# Altium PCB Dashcam_V2.0E.PcbDoc (part 8 of 8) (continued)
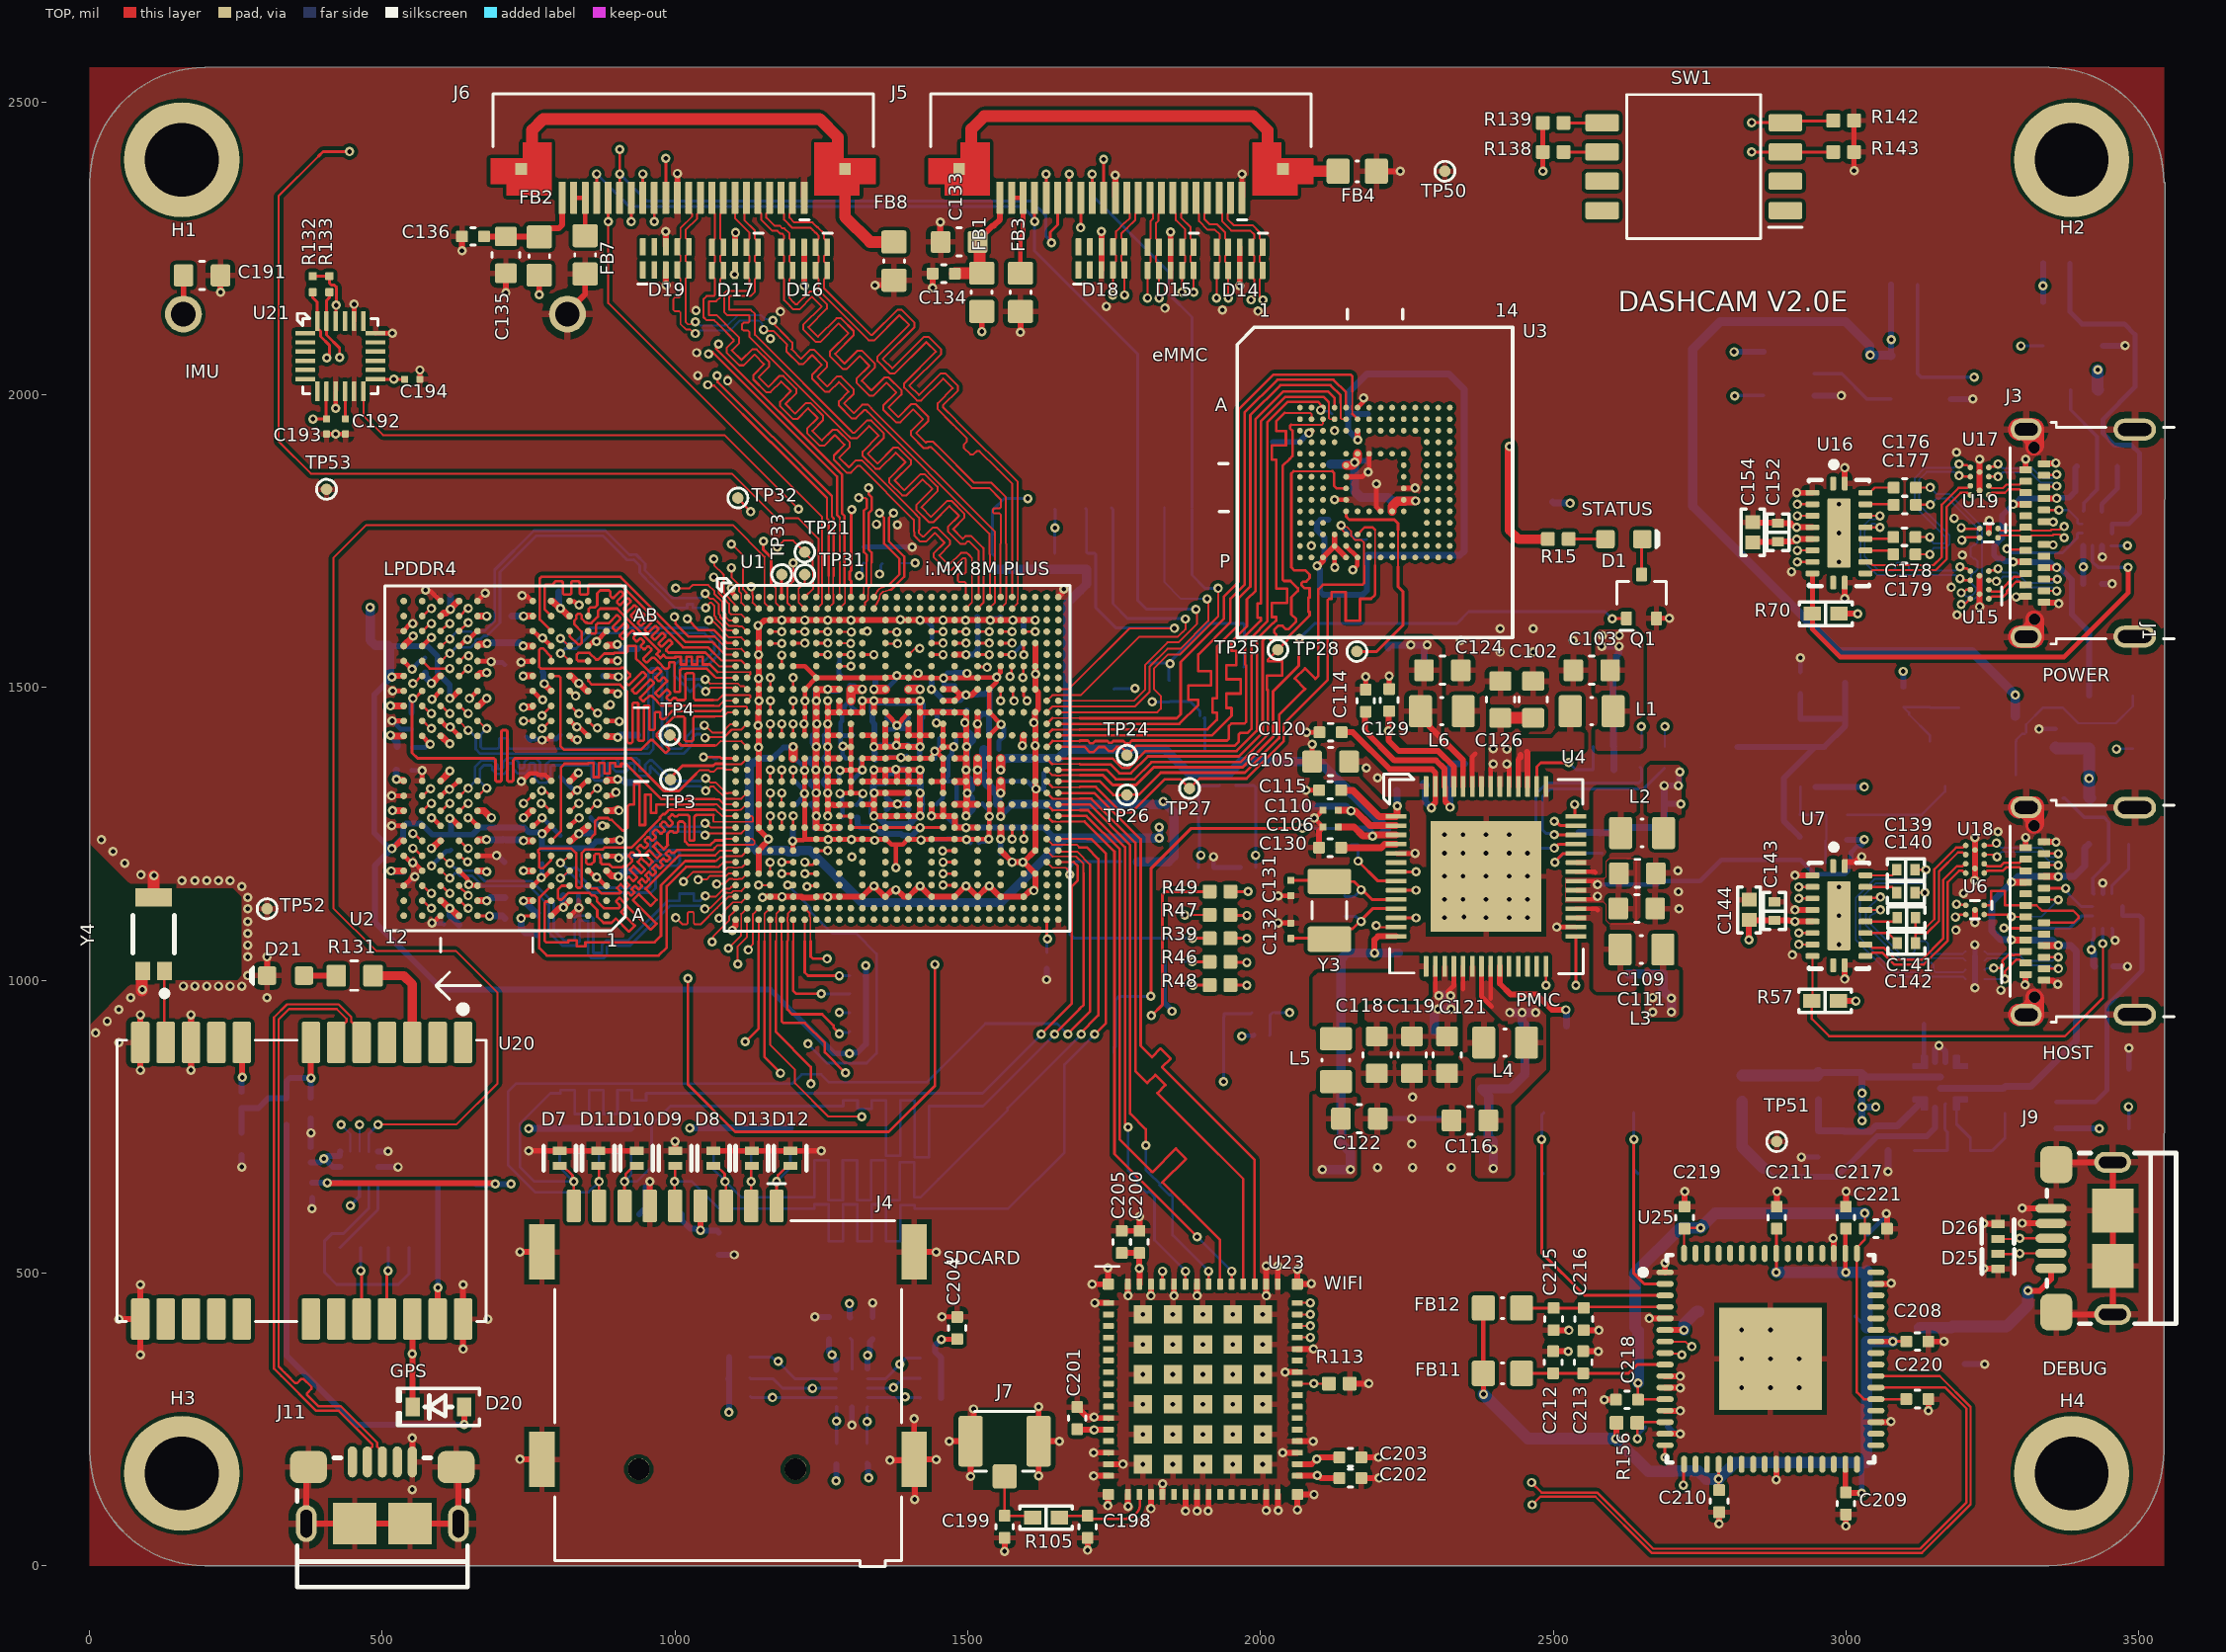
[diagram p0: TOP view]
## Nets (pads, with @x,y where several pads share a name; then routed paths per layer and width w, separated by ;. In a path a pad name is that pad's centre, name@x,y a point inside that pad or via, vN(x,y) a via of type N, cw(c..) or ccw(c..) an arc to the next point about the centre after c; other vN are vias at no path point) (continued)
  TOP w5: C132.2@2051.8,1071.53 2116.57,1071.53 Y3.2@2117.8,1070.31 ; Y3.2@2109.8,1061.52 2136.25,1087.98 2157.25,1087.98 2191.54,1122.27 U4.11@2231.8,1122.27
  BOTTOM w5: R50.2@2143.8,1108.8 2163.37,1108.8 2171.66,1100.52 v2(2171.8,1100.52)
XTALI_24M: C68.2 R13.1 TP18.1 U1.G25 Y1.3 | length 601.1
  TOP w4.72: v2(1572.24,1518.5) 1572.24,1521.55 1574.62,1523.93 1574.62,1535.14 U1.G25@1575.9,1536.42
  L3_IN1 w3.6: v2(1572.24,1518.5) 1590.73,1537 1607.32,1537 1611.32,1541 v2@1845,1541
  BOTTOM w3.35: R13.1@1843.8,1512.24 R13.1@1844.8,1511.24 ; Y1.3@1970.87,1534.43 Y1.3@1972.79,1536.35
  BOTTOM w5: TP18.1@1809.8,1541.52 1810.24,1541.96 1844.35,1541.96 v2(1845.51,1540.8) ; R13.1@1843.8,1512.24 1843.8,1542.52 1910.8,1609.52 1970.83,1609.52 1972.79,1607.56 C68.2@1972.79,1590.52 Y1.3@1972.79,1536.35
XTALI_32K: C66.2 R12.1 TP15.1 U1.J25 Y2.2 | length 628.6
  TOP w4.72: U1.J25@1575.9,1497.05 1577.18,1495.77 1577.18,1479.18 v2(1579.27,1477.09)
  L4_IN2 w4.72: v2(1579.27,1477.09) 1579.27,1476.31 1598.58,1457 1624,1457 1796,1285 1830,1285 1863,1252 1863,1248.67 1898.67,1213 v2@1899,1213
  BOTTOM w5: C66.2@1893.8,1192.52 v2@1893.8,1213.52 ; v2@1895.46,1213.52 1895.46,1262.64 1893.8,1264.31 TP15.1@1893.8,1330.52 1894.8,1331.52 1929.02,1331.52 R12.1@1930.02,1332.52
  other v2: 1898.15,1213.52
XTALO_24M: C69.2 R13.2 U1.G26 Y1.1 | length 409
  TOP w4.72: v2(1594.17,1517.03) 1594.88,1517.73 1594.88,1535.71 U1.G26@1595.58,1536.42
  L3_IN1 w3.6: v2(1594.17,1517.03) 1594.97,1517.03 1604.04,1507.95 1609.02,1507.95 1609.73,1507.24 1652.76,1507.24 1684.48,1475.52 1813.52,1475.52 v2@1814,1476
  BOTTOM w5: v2@1816.8,1474.52 1817.8,1475.52 1844.51,1475.52 R13.2@1844.8,1475.8 1880.49,1475.8 1896.7,1459.6 Y1.1@1896.7,1451.55 ; Y1.1@1903.64,1447.52 Y1.1@1904.72,1448.61 1904.8,1448.53 C69.2@1904.8,1393.52
  other v2: 1814.8,1475.52
XTALO_32K: C67.2 R12.2 U1.J26 Y2.1 | length 696.1
  TOP w4.72: U1.J26@1595.58,1497.05 1595.58,1485.43 1601.26,1479.75 v2(1601.26,1477.46)
  L4_IN2 w5: v2(1601.26,1477.46) 1697.54,1477.46 1961.48,1213.52 1990.52,1213.52 v2@1992,1215
  BOTTOM w5: R12.2@1957.57,1332.52 1988.86,1332.52 1991.79,1329.59 1991.79,1264.74 Y2.1@1993.01,1263.52 1991.8,1262.31 v2(1991.8,1213.52) C67.2@1991.79,1192.52
pads on no net: D18.1 D18.2 D18.9 D18.10 D19.1 D19.2 D19.9 D19.10 H1.1 H2.1 H3.1 H4.1 J1.A8 J1.B8 J3.A8 J3.B8 J4. J11.1 J11.4 SW1.1 SW1.2 SW1.7 SW1.8 U1.A14 U1.A15 U1.A16 U1.A17 U1.A18 U1.A19 U1.A20 U1.A26 U1.A27 U1.A28 U1.AC4 U1.AC5 U1.AC10 U1.AC12 U1.AC14 U1.AC16 U1.AC18 U1.AC22 U1.AC25 U1.AD10 U1.AD12 U1.AD14 U1.AD16 U1.AD18 U1.AD22 U1.AD24 U1.AE10 U1.AE12 U1.AE14 U1.AE16 U1.AE18 U1.AE22 U1.AE24 U1.AE26 U1.AE28 U1.AE29 U1.AF10 U1.AF12 U1.AF14 U1.AF16 U1.AF18 U1.AF22 U1.AF24 U1.AF26 U1.AF28 U1.AF29 U1.AG28 U1.AG29 U1.AH8 U1.AH9 U1.AH10 U1.AH11 U1.AH12 U1.AH13 U1.AH14 U1.AH15 U1.AH16 U1.AH17 U1.AH18 U1.AH19 U1.AH22 U1.AH23 U1.AH24 U1.AH25 U1.AH26 U1.AH27 U1.AH28 U1.AH29 U1.AJ8 U1.AJ9 U1.AJ10 U1.AJ11 U1.AJ12 U1.AJ13 U1.AJ14 U1.AJ15 U1.AJ16 U1.AJ17 U1.AJ18 U1.AJ19 U1.AJ20 U1.AJ23 U1.AJ24 U1.AJ25 U1.AJ26 U1.AJ27 U1.B11 U1.B14 U1.B15 U1.B16 U1.B17 U1.B18 U1.B19 U1.B20 U1.B26 U1.B27 U1.B28 U1.B29 U1.C28 U1.C29 U1.D16 U1.D28 U1.D29 U1.E12 U1.E16 U1.E28 U1.E29 U1.F14 U1.F28 U1.F29 U1.G4 U1.G14 U1.G16 U1.G18 U1.G20 U1.G28 U1.G29 U1.H28 U1.H29 U1.J5 U1.J28 U1.L5 U1.N1 U1.N2 U1.P1 U1.R4 U1.R5 U1.T2 U1.U1 U1.U2 U1.W6 U2.A1 U2.A2 U2.A11 U2.A12 U2.AA1 U2.AA12 U2.AB1 U2.AB2 U2.AB11 U2.AB12 U2.B1 U2.B12 U2.G11 U2.K5 U2.K8 U2.N5 U2.N8 U3.A1 U3.A2 U3.A7 U3.A8 U3.A9 U3.A10 U3.A11 U3.A12 U3.A13 U3.A14 U3.B1 U3.B7 U3.B8 U3.B9 U3.B10 U3.B11 U3.B12 U3.B13 U3.B14 U3.C1 U3.C3 U3.C5 U3.C7 U3.C8 U3.C9 U3.C10 U3.C11 U3.C12 U3.C13 U3.C14 U3.D1 U3.D2 U3.D3 U3.D4 U3.D12 U3.D13 U3.D14 U3.E1 U3.E2 U3.E3 U3.E5 U3.E8 U3.E9 U3.E10 U3.E12 U3.E13 U3.E14 U3.F1 U3.F2 U3.F3 U3.F10 U3.F12 U3.F13 U3.F14 U3.G1 U3.G2 U3.G3 U3.G10 U3.G12 U3.G13 U3.G14 U3.H1 U3.H2 U3.H3 U3.H12 U3.H13 U3.H14 U3.J1 U3.J2 U3.J3 U3.J12 U3.J13 U3.J14 U3.K1 U3.K2 U3.K3 U3.K6 U3.K7 U3.K10 U3.K12 U3.K13 U3.K14 U3.L1 U3.L2 U3.L3 U3.L12 U3.L13 U3.L14 U3.M1 U3.M2 U3.M3 U3.M7 U3.M8 U3.M9 U3.M10 U3.M11 U3.M12 U3.M13 U3.M14 U3.N1 U3.N3 U3.N6 U3.N7 U3.N8 U3.N9 U3.N10 U3.N11 U3.N12 U3.N13 U3.N14 U3.P1 U3.P2 U3.P7 U3.P8 U3.P9 U3.P10 U3.P11 U3.P12 U3.P13 U3.P14 U4.6 U5.10 U7.1 U7.10 U8.1 U9.6 U9.9 U11.1 U12.1 U13.4 U13.6 U14.1 U16.1 U16.10 U20.1 U20.2 U20.4 U20.9 U20.14 U20.15 U20.16 U20.17 U20.18 U20.19 U21.1 U21.2 U21.3 U21.4 U21.5 U21.6 U21.7 U21.14 U21.15 U21.16 U21.17 U21.19 U21.21 U22.10 U23.3 U23.4 U23.5 U23.6 U23.7 U23.8 U23.9 U23.10 U23.11 U23.14 U23.23 U23.27 U23.28 U23.29 U23.30 U23.38 U23.39 U23.40 U23.41 U23.44 U25.18 U25.19 U25.21 U25.22 U25.23 U25.24 U25.26 U25.27 U25.28 U25.29 U25.30 U25.32 U25.33 U25.34 U25.36 U25.40 U25.41 U25.43 U25.44 U25.45 U25.46 U25.48 U25.52 U25.53 U25.54 U25.55 U25.57 U25.58 U25.59 U25.60 U25.61 U25.62 U25.63

## Polygon pours and split planes (outlines as drawn)
GND on TOP "NONET_L-01_P-001" (solid, remove dead copper, pour order 121): 0,0 3543.31,0 3543.31,2559.06 0,2559.06
GND on TOP "NONET_L-01_P-001" (solid, remove dead copper, pour order 12): 2650.8,1203.52 2650.8,1101.52 2655.8,1096.52 2727.8,1096.52 2728.8,1097.52 2728.8,1207.52 2654.8,1207.52
VDD_ARM on TOP "NONET_L-01_P-001" (solid, remove dead copper, pour order 16): 2571.8,1396.52 2575.8,1392.52 2648.8,1392.52 2653.8,1397.52 2653.8,1585.2 2640,1599 2579,1599 2571.8,1591.8
VDD_SOC on TOP "NONET_L-01_P-001" (solid, remove dead copper, pour order 14): 2719.02,1363.52 2715.02,1367.52 2666.02,1367.52 2661.02,1362.52 2661.02,1217.52 2664.02,1214.52 2715.02,1214.52 2719.02,1218.52
VDD_3V3 on TOP "NONET_L-01_P-001" (solid, remove dead copper, pour order 8): 2373.8,1041.52 2373.8,970.52 2413.8,930.52 2422.8,930.52 2422.8,844.52 2411.8,833.52 2369.8,833.52 2366.8,830.52 2366.8,667.52 2371.8,662.52 2422.8,662.52 2427.8,667.52 2427.8,787.52 2487.7,847.43 2487.7,940.61 2464.8,963.52 2422.8,963.52 2396.8,989.52 2396.8,1041.52
GND on TOP "NONET_L-01_P-001" (solid, remove dead copper, pour order 25): 2315.8,1500.52 2319.8,1496.52 2381.8,1496.52 2388.8,1489.52 2488.8,1489.52 2499.8,1500.52 2550.8,1500.52 2553.8,1503.52 2553.8,1619.52 2544.8,1628.52 2324.8,1628.52 2315.8,1619.52
VSYS_5V on TOP "NONET_L-01_P-001" (solid, remove dead copper, pour order 24): 2286.8,1348.52 2286.8,1313.52 2210.8,1313.52 2175.8,1348.52 2125.8,1348.52 2120.8,1353.52 2120.8,1394.52 2124.8,1398.52 2164.8,1398.52 2214.8,1348.52
NVCC_DRAM_1V1 on TOP "NONET_L-01_P-001" (solid, remove dead copper, pour order 20): 2236,1417.32 2258.8,1394.52 2321.8,1394.52 2341.8,1374.52 2341.8,1312.52 2349.8,1312.52 2349.8,1406.52 2343.8,1412.52 2309.72,1412.52 2309.72,1566.59 2291.8,1584.52 2248.8,1584.52 2236,1571.72
NetL6_1 on TOP "NONET_L-01_P-001" (solid, remove dead copper, pour order 19): 2385,1313.52 2385,1482.32 2377.8,1489.52 2318.8,1489.52 2314.47,1485.2 2314.47,1420.84 2319.8,1415.52 2322.48,1415.52 2357.8,1380.2 2357.8,1313.52
VSYS_5V on TOP "NONET_L-01_P-001" (solid, remove dead copper, pour order 18): 2389.8,1313.52 2428.8,1313.52 2428.8,1405.8 2438,1415 2493,1415 2504,1426 2504,1477 2495,1486 2393,1486 2389.8,1482.8
NetL1_1 on TOP "NONET_L-01_P-001" (solid, remove dead copper, pour order 15): 2459.8,1312.52 2459.8,1388.52 2462.8,1391.52 2548.8,1391.52 2552.8,1395.52 2552.8,1488.52 2550.8,1490.52 2506.8,1490.52 2504.8,1488.52 2504.8,1420.52 2497.8,1413.52 2440.8,1413.52 2436.8,1409.52 2436.8,1312.52
NetL2_1 on TOP "NONET_L-01_P-001" (solid, remove dead copper, pour order 13): 2520.8,1180.52 2520.8,1205.52 2563.8,1205.52 2568.8,1210.52 2568.8,1321.52 2573.8,1326.52 2637.8,1326.52 2641.8,1322.52 2641.8,1221.52 2637.8,1217.52 2591.8,1217.52 2583.8,1209.52 2583.8,1183.52 2580.8,1180.52
VSYS_5V on TOP "NONET_L-01_P-001" (solid, remove dead copper, pour order 1): 2520.8,1173.52 2520.8,1133.52 2585.8,1133.52 2589.8,1129.52 2589.8,1102.52 2595.8,1096.52 2637.8,1096.52 2641.8,1100.52 2641.8,1203.52 2637.8,1207.52 2594.8,1207.52 2589.8,1202.52 2589.8,1176.02 2586.46,1173.52 2584.8,1173.52
VSYS_5V on TOP "NONET_L-01_P-001" (solid, remove dead copper, pour order 11): 2520.8,1173.52 2520.8,1133.52 2584.48,1133.52 2589.8,1128.2 2589.8,1103.52 2592.8,1100.52 2641.52,1100.52 2649,1108 2649,1204 2646.48,1206.52 2592.8,1206.52 2588.8,1202.52 2588.8,1173.52
VDD_SOC on TOP "NONET_L-01_P-001" (solid, remove dead copper, pour order 10): 2656.8,940.52 2660.8,936.52 2709.8,936.52 2714.8,941.52 2714.8,1086.52 2711.8,1089.52 2660.8,1089.52 2656.8,1085.52 2656.8,1083.52
NetL3_1 on TOP "NONET_L-01_P-001" (solid, remove dead copper, pour order 9): 2520.8,1126.52 2520.8,1101.52 2563.8,1101.52 2568.8,1096.52 2568.8,985.52 2573.8,980.52 2637.8,980.52 2641.8,984.52 2641.8,1085.52 2637.8,1089.52 2591.8,1089.52 2583.8,1097.52 2583.8,1123.52 2580.8,1126.52
NetL4_1 on TOP "NONET_L-01_P-001" (solid, remove dead copper, pour order 7): 2341.8,1041.52 2341.8,944.52 2345.97,940.35 2345.97,875.35 2363.8,857.52 2410.52,857.52 2424.71,871.71 2424.71,908.61 2371,962.32 2371,1041.52
GND on TOP "NONET_L-01_P-001" (solid, remove dead copper, pour order 5): 2177.8,668.52 2183.8,662.52 2344.8,662.52 2349.8,667.52 2349.8,854.52 2344.8,859.52 2180.8,859.52 2177.8,856.52
VDD_1V8 on TOP "NONET_L-01_P-001" (solid, remove dead copper, pour order 4): 2089.8,667.52 2094.8,662.52 2158.8,662.52 2164.8,668.52 2164.8,846.52 2158.8,852.52 2095.8,852.52 2089.8,846.52
VSYS_5V on TOP "NONET_L-01_P-001" (solid, remove dead copper, pour order 3): 2294.8,1041.52 2294.8,971.52 2281.8,958.52 2184.8,958.52 2177.8,951.52 2177.8,878.52 2184.8,871.52 2329.8,871.52 2334.79,876.52 2334.8,993.52 2334.8,1041.52
NetL5_1 on TOP "NONET_L-01_P-001" (solid, remove dead copper, pour order 2): 2286.8,1041.52 2286.8,975.52 2276.8,965.52 2173.8,965.52 2165.8,957.52 2165.8,878.52 2158.8,871.52 2094.8,871.52 2089.8,876.52 2089.79,1004.52 2097.8,1012.52 2228.8,1012.52 2228.8,1041.52
GND on BOTTOM "GND_L08_P119" (solid, remove dead copper, pour order 119): 0,0 3543.31,0 3543.31,2559.06 0,2559.06
GND on BOTTOM "NONET_L-01_P-001" (solid, remove dead copper, pour order 72): 1345.14,1532.68 1322.14,1509.68 1311.14,1509.68 1308.14,1512.68 1227.14,1512.68 1227.14,1293.68 1133.14,1293.68 1133.14,1629.68 1345.14,1629.68
GND on BOTTOM "NONET_L-01_P-001" (solid, remove dead copper, pour order 76): 1375.14,1526.68 1352.14,1503.68 1352.14,1488.68 1372.14,1488.68 1373.14,1489.68 1373.14,1498.68 1401.14,1526.68 1446.14,1526.68 1453.14,1519.68 1453.14,1498.68 1455.14,1496.68 1485.14,1496.68 1496.14,1507.68 1547.14,1507.68 1551.14,1503.68 1551.14,1412.68 1543.14,1404.68 1543.14,1343.68 1555.14,1331.68 1609.14,1331.68 1609.14,1315.68 1646.14,1315.68 1646.14,1631.68 1375.14,1631.68
GND on BOTTOM "NONET_L-01_P-001" (solid, remove dead copper, pour order 73): 1166.14,1234.68 1255.14,1234.68 1328.14,1161.68 1543.14,1161.68 1543.14,1291.68 1538.14,1296.68 1538.14,1310.68 1519.14,1310.68 1519.14,1244.68 1223.14,1244.68 1223.14,1270.68 1166.14,1270.68
VDDA_1V8 on BOTTOM "NONET_L-01_P-001" (solid, remove dead copper, pour order 69): 1432.14,1522.68 1432.14,1489.68 1440.14,1489.68 1441.14,1488.68 1441.14,1471.68 1510.14,1471.68 1510.14,1430.68 1525.14,1430.68 1525.14,1410.68 1543.14,1410.68 1543.14,1489.68 1545.14,1491.68 1545.14,1504.68 1500.14,1504.68 1487.14,1491.68 1455.14,1491.68 1447.14,1499.68 1447.14,1519.68 1444.14,1522.68
VDDA_1V8 on BOTTOM "NONET_L-01_P-001" (solid, remove dead copper, pour order 68): 1436.14,1288.68 1436.14,1254.68 1606.14,1254.68 1620.14,1240.68 1620.14,1236.68 1539.14,1155.68 1326.14,1155.68 1251.14,1230.68 1153.14,1230.68 1145.14,1238.68 1145.14,1359.68 1157.14,1371.68 1171.14,1371.68 1189.14,1389.68 1210.14,1389.68 1210.14,1406.68 1182.14,1406.68 1176.14,1400.68 1176.14,1396.68 1165.14,1385.68 1133.14,1385.68 1122.14,1374.68 1122.14,1222.68 1135.14,1209.68 1220.14,1209.68 1330.82,1099 1534.46,1099 1653.14,1217.68 1653.14,1256.68 1641.14,1268.68 1486.14,1268.68 1486.14,1288.68
VDDA_1V8 on BOTTOM "NONET_L-01_P-001" (solid, pour order 116): 1641.14,1216.68 1642.14,1217.68 1837.14,1217.68 1837.14,1268.68 1641.14,1268.68
VDD_SOC on BOTTOM "NONET_L-01_P-001" (solid, remove dead copper, pour order 63): 1488.14,1466.68 1488.14,1427.68 1492.14,1427.68 1492.14,1272.68 1514.14,1272.68 1514.14,1345.68 1507.14,1345.68 1507.14,1368.68 1513.14,1368.68 1513.14,1424.68 1504.14,1424.68 1504.14,1466.68
NVCC_DRAM_1V1 on L6_PWR1 "NONET_L-01_P-001" (solid, remove dead copper, pour order 56): 459.8,1606 518,1606 523,1611 523,1705 549,1730.52 1247.8,1730.52 1247.8,1267.52 1271.7,1267.52 1271.7,1021.52 459.8,1021.52
VDD_ARM on L6_PWR1 "NONET_L-01_P-001" (solid, remove dead copper, pour order 55): 1465,1306.52 1463,1304.52 1463,1265.52 1507.8,1265.52 1507.8,1732.52 2616.8,1732.52 2616.8,1566.52 2571.8,1566.52 2571.8,1584.52 2314.8,1584.52 2314.8,1590.52 1694.8,1590.52 1694.8,1020.52 1352.8,1020.52 1352.8,1272.52 1329.8,1272.52 1329.8,1366.52 1465.8,1366.52 1465.8,1306.52
VDD_1V8 on L6_PWR1 "VDD_1V8_L06_P032" (solid, pour order 32): 459.38,1614.17 447,1601.91 447,1192 246.06,1192 246.06,2312.99 442.91,2509.84 3280,2509.84 3280,2207.17 2992.13,1919.29 1235,1919.29 1235,1751.97 551.18,1751.97 511.81,1712.6 511.81,1614.17
VSYS_5V on L6_PWR1 "VSYS_5V_L06_P122" (solid, pour order 122): 2755.91,1890 3000,1890 3320,2210 3523.62,2210 3523.62,748.03 3484.25,708.66 2755.91,708.66
VDD_SOC on L6_PWR1 "NONET_L-01_P-001" (solid, remove dead copper, pour order 53): 1252.8,1272.52 1325.8,1272.52 1325.8,1370.52 1469.8,1370.52 1469.8,1272.52 1524.8,1272.52 1524.8,1343.52 1504.8,1343.52 1504.8,1738.52 2622.8,1738.52 2622.8,1582.52 2749,1582.52 2749,1885.52 1252.8,1885.52
VDD_1V8 on L6_PWR1 "NONET_L-01_P-001" (solid, pour order 58): 1271.7,1020.55 1271.73,1020.52 1349.8,1020.52 1349.8,1269.52 1271.7,1269.52
VDD_1V8 on L6_PWR1 "NONET_L-01_P-001" (solid, pour order 109): 1758.8,880 1880,880 1880,790 1790,790 1790,680 2350,680 2350,600 2040,600 2040,20 250,20 250,126.97 246.06,126.97 246.06,882.52 1758.8,882.52
VDDA_1V8 on L6_PWR1 "NONET_L-01_P-001" (solid, remove dead copper, pour order 51): 2302.8,1292.52 1818.8,1292.52 1818.8,1219.52 2343.8,1219.52 2344.8,1220.52 2344.8,1315.52 2302.8,1315.52
VSYS_5V on L6_PWR1 "NONET_L-01_P-001" (solid, remove dead copper, pour order 33): 1893.8,745.52 2070.8,745.52 2070.8,872.52 2334.8,872.52 2334.8,1009.52 2588.8,1009.52 2588.8,1411.52 2244.8,1411.52 2244.8,1468.52 2116.8,1468.52 2116.8,1318.52 2348.8,1318.52 2348.8,1217.52 2347.8,1216.52 1893.8,1216.52
VDD_3V3 on L6_PWR1 "NONET_L-01_P-001" (solid, remove dead copper, pour order 37): 2362.2,590.55 2055.12,590.55 2055.12,121.1 2421.79,119.14 2421.8,826.52 2505.8,910.52 2505.8,1005.52 2339.8,1005.52 2339.8,867.52 2075.8,867.52 2075.8,740.52 1887.8,740.52 1887.8,774.52 1799.8,774.52 1799.8,694.52 2362.2,692.91
VDD_SOC on L6_PWR1 "NONET_L-01_P-001" (solid, remove dead copper, pour order 39): 2509.8,910.52 2750,910.52 2750,1640 2621.8,1640 2621.8,1411.52 2591.8,1411.52 2591.8,1006.52 2590.8,1005.52 2509.8,1005.52
NVCC_DRAM_1V1 on L6_PWR1 "NONET_L-01_P-001" (solid, pour order 57): 2126.8,1585.52 2126.8,1475.52 2104.8,1475.52 2101.8,1472.52 2101.8,1319.52 1885.8,1319.52 1885.8,896.52 459.8,896.52 459.8,1033.52 1287.8,1033.52 1287.8,1009.52 1703.8,1009.52 1703.8,1585.52
VDD_ARM on L6_PWR1 "NONET_L-01_P-001" (solid, remove dead copper, pour order 41): 2616.8,1585.52 2616.8,1416.52 2314.8,1416.52 2314.8,1585.52
NVCC_DRAM_1V1 on L6_PWR1 "NONET_L-01_P-001" (solid, remove dead copper, pour order 42): 2116.8,1585.52 2310.8,1585.52 2310.8,1416.52 2249.8,1416.52 2249.8,1471.52 2223.8,1471.52 2222.8,1472.52 2116.8,1472.52
VDD_3V3 on L5_PWR2 "VDD_3V3_L05_P125" (solid, pour order 125): 3144,445 3159,430 3159,33 3183,9 3480,9 3531,60 3531,445 3532,445 3532,2559.06 197,2559.06 83,2559 21,2497 21,1258 98,1181 283,1181 283,1004 291,996 678,996 688.98,985 688.98,98.43 1057.43,98.43 1076,117 1076,339 1114,377 1316,377 1329,364 1329,131.4 1343.96,117 2153,117 2481,445 2800,445 2830,475 2830,520 2850,540 3030,540 3040,530 3040,464 3059,445
VDD_1V8 on L5_PWR2 "VDD_1V8_L05_P123" (solid, pour order 123): 1150,1080 1120,1110 560,1110 500,1170 500,1570 520,1590 1190.93,1589.02 1196.77,1594.59 1300,1594.59 1330,1564.59 1330,1483 1347,1466 1389,1466 1402,1479 1402,1568 1429,1594.59 1905.41,1594.59 2200,1300 2200,650 2150,600 1200,600 1150,650
USB_UART_3V3 on L5_PWR2 "USB_UART_3V3_L05_P126" (solid, pour order 126): 2802,430 2835,463 2835,513 2855,533 3022,533 3030,525 3030,444 3045,430 3125,430 3147,408 3147,14 3113,-20 1140,-20 1083,37 1083,333 1119,369 1291,369 1320,340 1320,130 1340,110 2164,110 2484,430
VGPS_3V3 on L5_PWR2 "VGPS_3V3_L05_P124" (solid, pour order 124): 196.85,984.25 196.85,295.28 669.29,295.28 669.29,984.25
GND on L2_GND "NONET_L-01_P-001" (solid, remove dead copper, pour order 107): 0,0 3543.31,0 3543.31,2559.06 0,2559.06
GND on L7_GND_2 "NONET_L-01_P-001" (solid, remove dead copper, pour order 108): 0,0 3543.31,0 3543.31,2559.06 0,2559.06
GND on L3_IN1 "GND_L03_P114" (solid, remove dead copper, pour order 114): 0,0 3543.31,0 3543.31,2559.06 0,2559.06

## Other copper
TOP:
  pour cut-out: 1510,270 1620,270 1620,130 1510,130
  pour cut-out: 75.79,1157.48 -0.98,1234.25 -0.98,978.35 -1.97,977.36 -1.97,921.26 76.77,1000 251.97,1000 259.84,1007.87 259.84,1142.72 245.08,1157.48
L2_GND:
  pour cut-out: 75.79,1157.48 -0.98,1234.25 -0.98,978.35 -1.97,977.36 -1.97,921.26 76.77,1000 251.97,1000 259.84,1007.87 259.84,1142.72 245.08,1157.48
  pour cut-out: 1530.51,133.86 1523.62,140.75 1523.62,245.08 1529.53,250.98 1596.46,250.98 1603.35,244.09 1603.35,139.76 1597.44,133.86
L3_IN1:
  pour cut-out: 1530.51,133.86 1523.62,140.75 1523.62,245.08 1529.53,250.98 1596.46,250.98 1603.35,244.09 1603.35,139.76 1597.44,133.86
  pour cut-out: 75.79,1157.48 -0.98,1234.25 -0.98,978.35 -1.97,977.36 -1.97,921.26 76.77,1000 251.97,1000 259.84,1007.87 259.84,1142.72 245.08,1157.48
L6_PWR1:
  pour cut-out: 1530.51,133.86 1523.62,140.75 1523.62,245.08 1529.53,250.98 1596.46,250.98 1603.35,244.09 1603.35,139.76 1597.44,133.86
  pour cut-out: 75.79,1157.48 -0.98,1234.25 -0.98,978.35 -1.97,977.36 -1.97,921.26 76.77,1000 251.97,1000 259.84,1007.87 259.84,1142.72 245.08,1157.48
L7_GND_2:
  pour cut-out: 1530.51,133.86 1523.62,140.75 1523.62,245.08 1529.53,250.98 1596.46,250.98 1603.35,244.09 1603.35,139.76 1597.44,133.86
  pour cut-out: 75.79,1157.48 -0.98,1234.25 -0.98,978.35 -1.97,977.36 -1.97,921.26 76.77,1000 251.97,1000 259.84,1007.87 259.84,1142.72 245.08,1157.48
L4_IN2:
  pour cut-out: 1530.51,133.86 1523.62,140.75 1523.62,245.08 1529.53,250.98 1596.46,250.98 1603.35,244.09 1603.35,139.76 1597.44,133.86
L5_PWR2:
  pour cut-out: 1530.51,133.86 1523.62,140.75 1523.62,245.08 1529.53,250.98 1596.46,250.98 1603.35,244.09 1603.35,139.76 1597.44,133.86
BOTTOM:
  pour cut-out: 1530.51,133.86 1523.62,140.75 1523.62,245.08 1529.53,250.98 1596.46,250.98 1603.35,244.09 1603.35,139.76 1597.44,133.86
  pour cut-out: 75.79,1157.48 -0.98,1234.25 -0.98,978.35 -1.97,977.36 -1.97,921.26 76.77,1000 251.97,1000 259.84,1007.87 259.84,1142.72 245.08,1157.48
  pour cut-out: 1232.14,1522.68 1232.14,1508.68 1250.14,1508.68 1250.14,1522.68
  pour cut-out: 1513.14,1250.68 1513.14,1240.68 1525.14,1240.68 1525.14,1250.68 1512.14,1250.68
  pour cut-out: 1537.14,1222.68 1537.14,1212.68 1549.14,1212.68 1549.14,1222.68 1536.14,1222.68
  pour cut-out: 1489.14,1305.68 1489.14,1295.68 1501.14,1295.68 1501.14,1305.68 1488.14,1305.68
  pour cut-out: 1488.14,1344.68 1488.14,1334.68 1500.14,1334.68 1500.14,1344.68 1487.14,1344.68
  pour cut-out: 1489.14,1422.68 1489.14,1412.68 1501.14,1412.68 1501.14,1422.68 1488.14,1422.68
  pour cut-out: 1430.14,1463.68 1430.14,1453.68 1442.14,1453.68 1442.14,1463.68 1429.14,1463.68
  pour cut-out: 1432.14,1534.68 1432.14,1524.68 1444.14,1524.68 1444.14,1534.68 1431.14,1534.68
  pour cut-out: 1392.14,1371.68 1392.14,1361.68 1404.14,1361.68 1404.14,1371.68 1391.14,1371.68
  pour cut-out: 1356.14,1371.68 1356.14,1361.68 1368.14,1361.68 1368.14,1371.68 1355.14,1371.68
  pour cut-out: 1305.14,1294.68 1305.14,1284.68 1317.14,1284.68 1317.14,1294.68 1304.14,1294.68
  pour cut-out: 1292.14,1283.68 1292.14,1273.68 1304.14,1273.68 1304.14,1283.68 1291.14,1283.68
  pour cut-out: 1268.14,1303.68 1268.14,1293.68 1280.14,1293.68 1280.14,1303.68 1267.14,1303.68
  pour cut-out: 1262.14,1421.68 1262.14,1411.68 1274.14,1411.68 1274.14,1421.68 1261.14,1421.68
  pour cut-out: 1268.14,1463.68 1268.14,1453.68 1280.14,1453.68 1280.14,1463.68 1267.14,1463.68
  pour cut-out: 1317.14,1464.68 1317.14,1452.68 1329.14,1452.68 1329.14,1464.68
  pour cut-out: 1314.14,1426.68 1314.14,1408.68 1330.14,1408.68 1330.14,1426.68
  pour cut-out: 1432.14,1348.68 1432.14,1330.68 1448.14,1330.68 1448.14,1348.68
  pour cut-out: 1431.14,1427.68 1431.14,1409.68 1447.14,1409.68 1447.14,1427.68
  pour cut-out: 1529.14,1630.68 1529.14,1612.68 1543.14,1612.68 1543.14,1630.68
  pour cut-out: 1433.14,1576.68 1433.14,1566.68 1445.14,1566.68 1445.14,1576.68
  pour cut-out: 1260.14,1343.68 1260.14,1332.68 1271.14,1332.68 1271.14,1343.68
  pour cut-out: 1314.14,1347.68 1314.14,1331.68 1328.14,1331.68 1328.14,1347.68
  pour cut-out: 1266.14,1386.68 1266.14,1369.68 1280.14,1369.68 1280.14,1386.68
  pour cut-out: 1212.14,1372.68 1223.14,1372.68 1223.14,1384.68 1212.14,1384.68
  pour cut-out: 1214.14,1270.68 1214.14,1250.68 1225.14,1250.68 1225.14,1270.68
  pour cut-out: 1384.14,1237.68 1384.14,1228.68 1405.14,1228.68 1405.14,1237.68
  pour cut-out: 1355.14,1238.68 1355.14,1227.68 1368.14,1227.68 1368.14,1238.68
  pour cut-out: 1455.14,1267.68 1455.14,1254.68 1474.14,1254.68 1474.14,1267.68
  pour cut-out: 1603.14,1422.68 1603.14,1410.68 1615.14,1410.68 1615.14,1422.68
  pour cut-out: 1431.14,1551.68 1431.14,1547.68 1446.14,1547.68 1446.14,1551.68
  pour cut-out: 1589.14,1595.68 1589.14,1584.68 1601.14,1584.68 1601.14,1595.68

## Silkscreen, mask and mechanical layers (free items; w line width, h text height)
Top Overlay:
  lines w5: 592.7,990.55 591.7,990.55 ; 614.7,967.55 591.7,990.55 ; 614.7,1013.55 591.7,990.55 ; 667.7,990.55 591.7,990.55
  text "DASHCAM V2.0E" at 2610.73,2130.49 h59.06
  text "eMMC" at 1815.25,2049.22 h39.37
  text "IMU" at 163,2020.97 h39.37
  text "STATUS" at 2548.8,1786.49 h39.37
  text "LPDDR4" at 501.97,1683.82 h39.37
  text "i.MX 8M PLUS" at 1427.17,1683.82 h39.37
  text "POWER" at 3336.2,1503.02 h39.37
  text "PMIC" at 2436.02,947.6 h39.37
  text "HOST" at 3336.2,857.35 h39.37
  text "SDCARD" at 1458.24,506.96 h39.37
  text "WIFI" at 2107.85,463.65 h39.37
  text "DEBUG" at 3336.2,317.98 h39.37
  text "GPS" at 513.36,314.05 h39.37
Bottom Overlay:
  lines w5: 558.14,1882.68 558.14,1691.68 1114.14,1691.68 1114.14,1632.68 1188.14,1558.68 1188.14,1593.68 ; 1152.14,1557.68 1187.14,1557.68
  text "CONN B" at 1318.9,1875.98 h39.37
  text "CONN A" at 1303.15,836.61 h39.37
Top solder:
  region: 0,0 366.14,0 271.65,94.49 271.65,220.47 212.6,279.53 98.43,279.53 19.69,358.27 0,358.27
  region: 3543.31,0 3543.31,366.14 3448.82,271.65 3322.83,271.65 3263.78,212.6 3263.78,98.43 3185.04,19.69 3185.04,0
  region: 3543.31,2559.06 3177.17,2559.06 3271.65,2464.57 3271.65,2338.58 3330.71,2279.53 3444.88,2279.53 3523.62,2200.79 3543.31,2200.79
  region: 0,2559.06 0,2192.91 94.49,2287.4 220.47,2287.4 279.53,2346.46 279.53,2460.63 358.27,2539.37 358.27,2559.06
  lines w39.37: 0,0 0,2559.06 3543.31,2559.06 3543.31,0 0,0
Bottom Solder:
  region: 3543.31,2559.06 3177.17,2559.06 3271.65,2464.57 3271.65,2338.58 3330.71,2279.53 3444.88,2279.53 3523.62,2200.79 3543.31,2200.79
  region: 0,2559.06 0,2192.91 94.49,2287.4 220.47,2287.4 279.53,2346.46 279.53,2460.63 358.27,2539.37 358.27,2559.06
  region: 3543.31,0 3543.31,366.14 3448.82,271.65 3322.83,271.65 3263.78,212.6 3263.78,98.43 3185.04,19.69 3185.04,0
  region: 0,0 366.14,0 271.65,94.49 271.65,220.47 212.6,279.53 98.43,279.53 19.69,358.27 0,358.27
  lines w39.37: 0,0 0,2559.06 3543.31,2559.06 3543.31,0 0,0
Board:
  lines w7.87: 3346.46,2559.06 cw(c3346.46,2362.2) 3543.31,2362.2 ; 3346.46,2560.37 196.85,2559.06 ccw(c196.85,2362.2) 0,2362.2 0,196.85 ccw(c196.85,196.85) 196.85,0 3346.46,0 ccw(c3346.46,196.85) 3543.31,196.85 3544.65,2362.2